# KiCad board motherboard.kicad_pcb (continued)
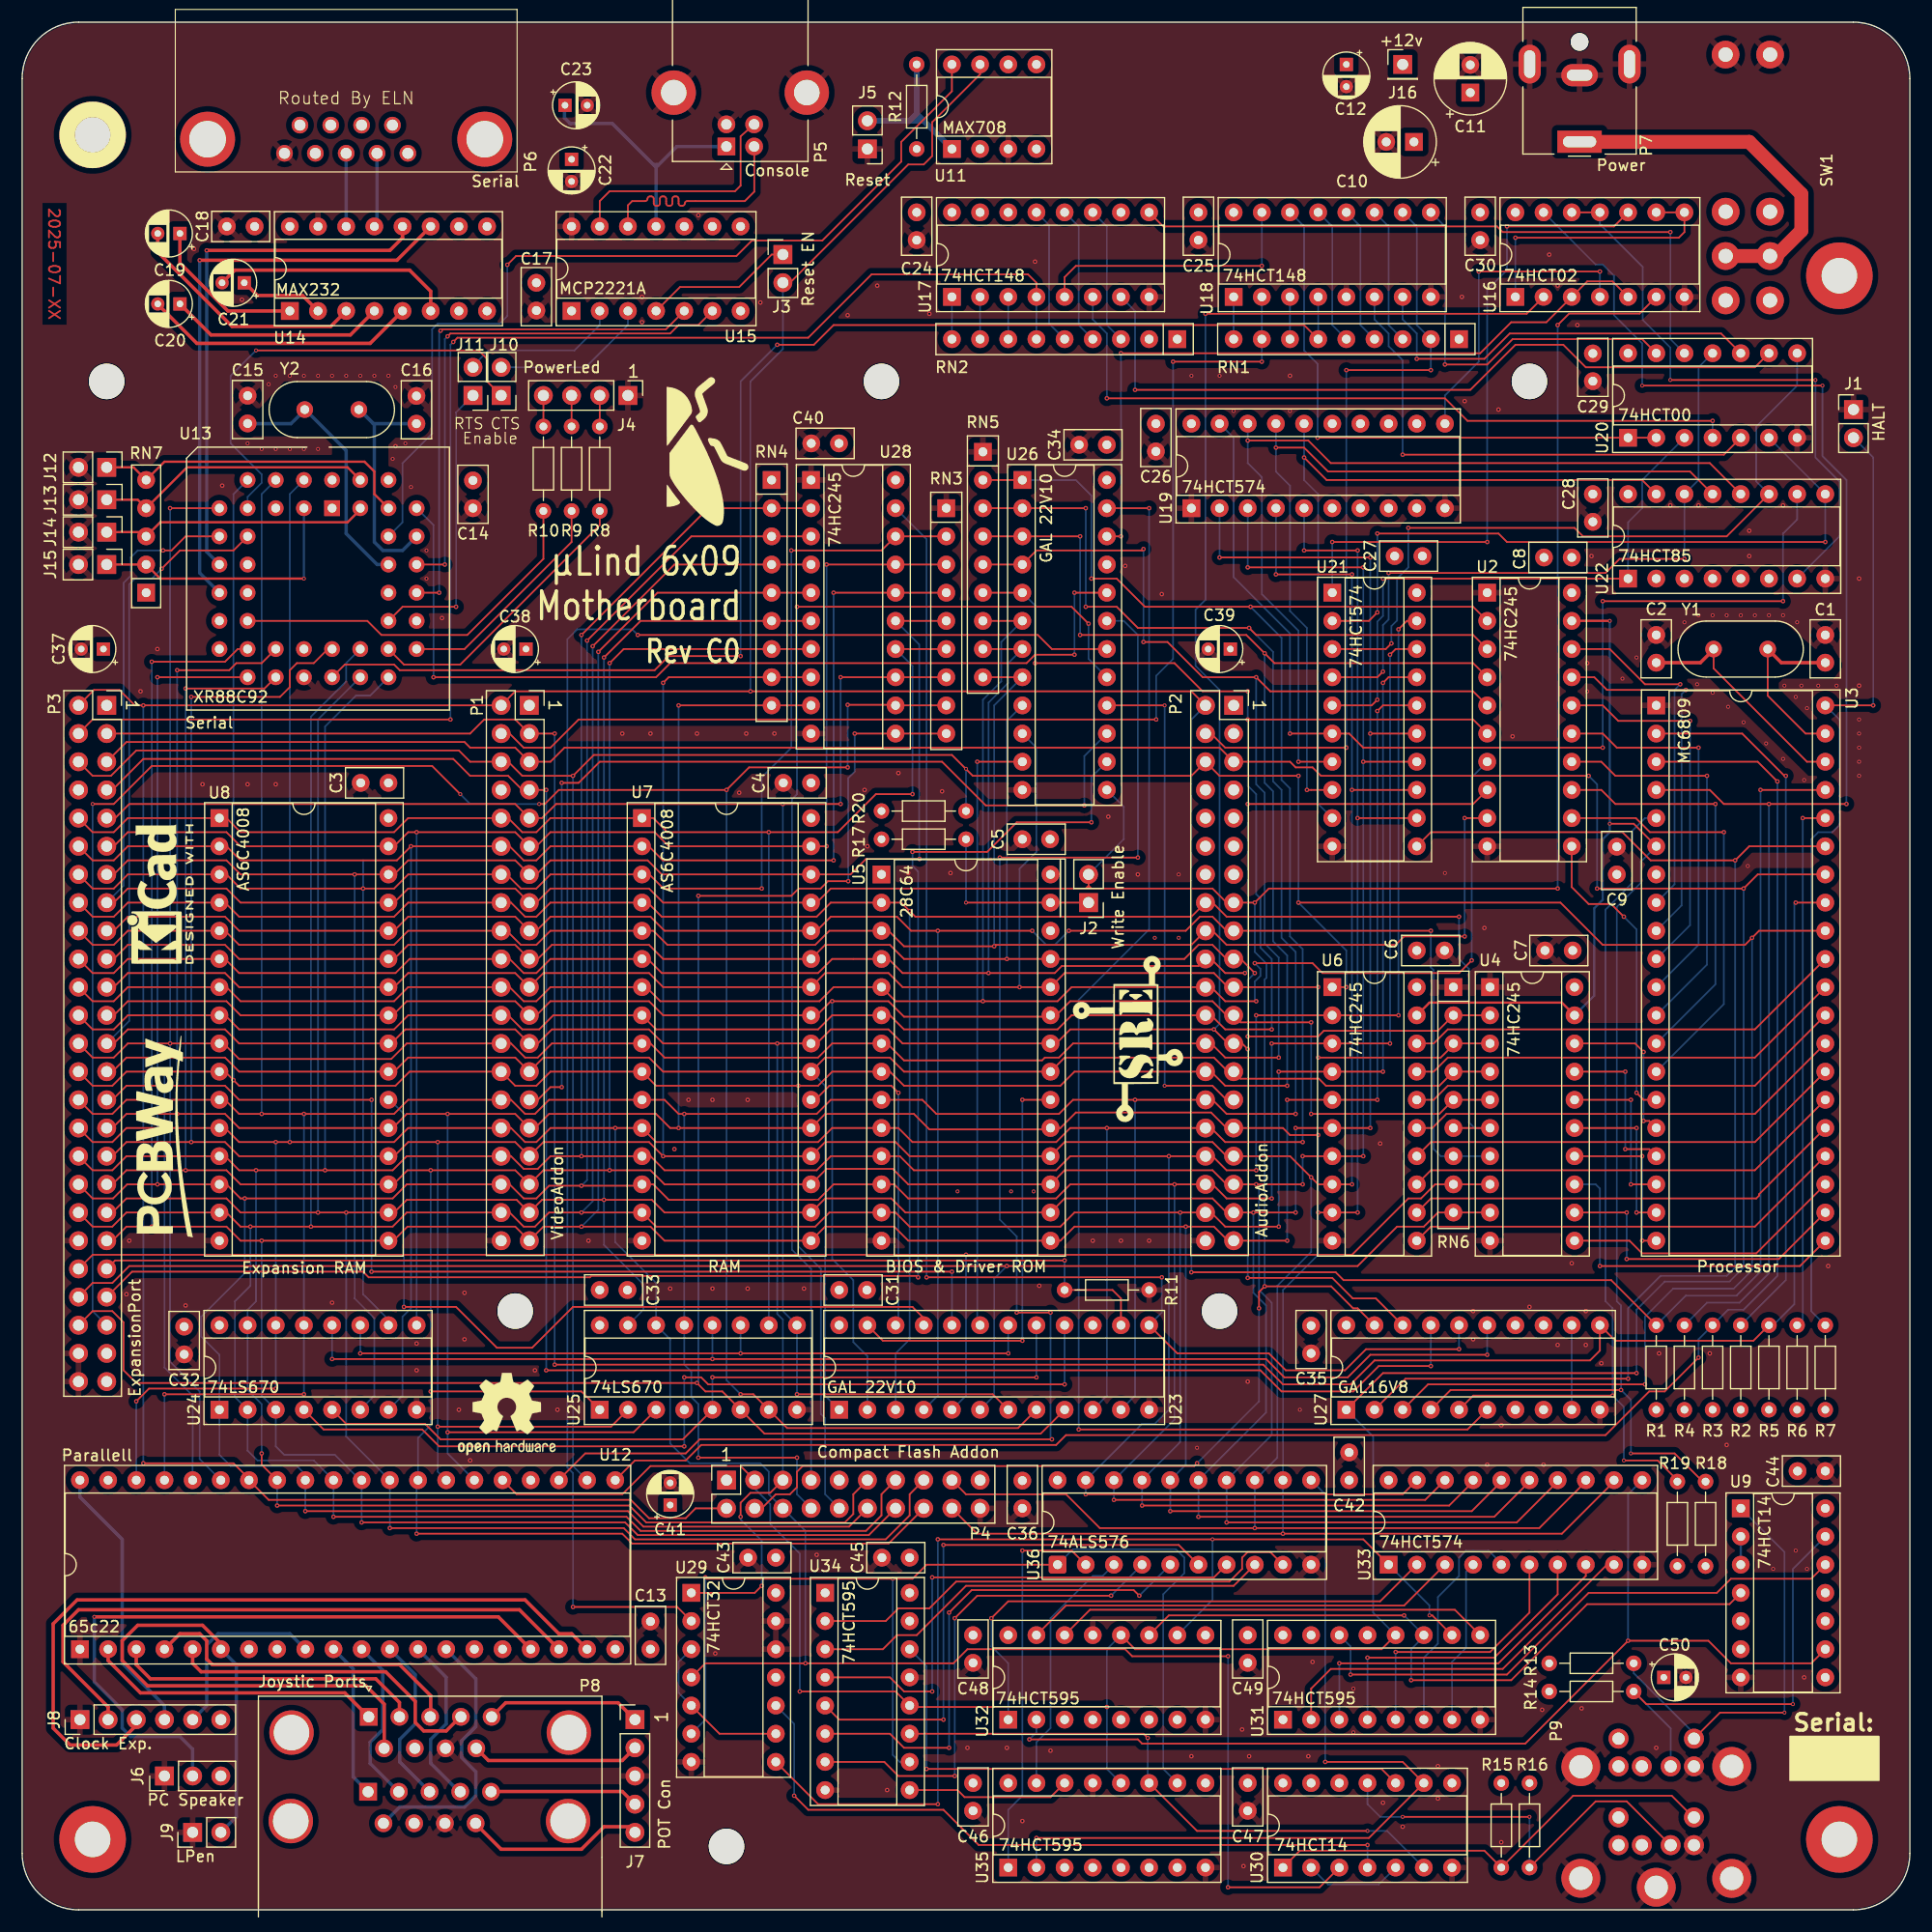
[diagram p0: board, top side]
## Routing (per net, layer and track width the routed paths; a pad name or vN(x,y) marks a point on that pad's centre or on a via; arc(x,y) is an arc through that point) (continued)
/Address-Logic/~{RAMH_EN}: length 70.3
  Top w0.152: v1(34.42,54.36) 39.12,54.36 42.8,50.67 45.97,50.67 49.66,54.36 80.26,54.36 81.28,53.34 U23.21
  Bottom w0.152: v1(34.42,54.36) 34.42,71.75 33.15,73.02 U8.22
/Address-Logic/~{RAML_EN}: length 29.7
  Top w0.152: U7.22 71.5,73.02 72.77,74.29 78.36,74.29 v1(78.99,73.66)
  Bottom w0.152: U23.22 78.99,52.96 v1(78.99,73.66)
/Address-Logic/~{ROM_EN}: length 38.8
  Top w0.152: U23.23 77.6,51.31 v1(90.17,51.31) ; v1(90.17,73.02) U5.20
  Bottom w0.152: v1(90.17,51.31) v1(90.17,73.02)
/Address-Logic/~{SER_EN}: length 83
  Top w0.152: U26.20 v1(94.87,118.75) ; v1(94.87,113.16) 91.31,113.16 90.55,112.39 58.42,112.39 57.15,111.12 v1(37.08,111.12)
  Bottom w0.152: U13.39 37.08,124.84 v1(37.08,111.12) ; v1(94.87,118.75) v1(94.87,113.16)
/Address-Logic/~{SND_EN}: length 46.2
  Top w0.152: v2(103,108.58) U26.16 ; P2.29 108.58,73.02 107.31,74.29 v2(103,74.29)
  Bottom w0.152: v2(103,108.58) v2(103,74.29)
/Address-Logic/~{VDC_EN}: length 87.7
  Top w0.152: v1(95.76,99.57) 86.87,99.57 82.93,103.5 52.07,103.5 50.16,101.6 v1(48.64,101.6) ; P1.29 46.48,73.02 47.62,74.17 v1(48.64,74.17)
  Bottom w0.152: U26.15 95.76,104.01 v1(95.76,99.57) ; v1(48.64,101.6) v1(48.64,74.17)
/AM14: length 156.6
  Top w0.152: P3.14 6.35,92.07 8.25,92.07 9.53,93.34 U8.3 18.41,93.34 19.68,92.07 v1(30.73,92.07) 33.53,92.07 34.8,93.34 P1.14 43.69,93.34 44.96,92.07 46.35,92.07 47.62,93.34 U7.3 56.54,93.34 57.81,92.07 v1(66.67,92.07) ; v1(69.34,122.55) 77.47,122.55 U28.18 83.19,123.82
  Bottom w0.152: v1(30.73,92.07) 30.73,94.61 30.73,55.5 33.02,53.21 U24.10 ; v1(69.34,122.55) 69.34,104.77 66.67,102.11 v1(66.67,92.07)
/AM15: length 148.6
  Top w0.152: 83.19,121.28 U28.17 v1(72.52,121.28) ; P3.11 8.25,95.88 9.53,97.16 18.41,97.16 19.68,95.88 U8.31 33.53,95.88 34.8,97.16 v1(35.56,97.16) 44.45,97.16 P1.11 46.35,95.88 47.62,97.16 57.02,97.16 58.29,95.88 U7.31 v1(72.52,95.88)
  Bottom w0.152: v1(72.52,95.88) v1(72.52,121.28) ; U24.9 v1(35.56,97.16)
/AM16: length 157.6
  Top w0.152: v1(73.15,94.61) 57.76,94.61 56.49,95.88 U7.2 47.62,95.88 46.35,94.61 45.21,94.61 43.94,95.88 P1.12 v1(35.05,95.88) 33.78,94.61 19.68,94.61 18.41,95.88 U8.2 9.53,95.88 8.25,94.61 6.35,94.61 P3.12 ; v1(73.15,118.75) U28.16 83.19,118.75
  Bottom w0.152: U24.7 34.29,46.35 34.29,53.47 35.05,54.23 v1(35.05,95.88) ; v1(73.15,94.61) v1(73.15,118.75)
/AM17: length 153.3
  Top w0.152: 83.19,116.2 U28.15 ; v1(80.9,94.74) 76.07,94.74 74.68,93.34 U7.30 57.66,93.34 56.39,94.61 47.62,94.61 46.35,93.34 P1.13 44.45,94.61 34.8,94.61 33.53,93.34 U8.30 v1(29.97,93.34) 19.68,93.34 18.41,94.61 9.53,94.61 8.25,93.34 P3.13
  Bottom w0.152: U24.6 31.75,46.35 31.75,53.34 29.97,55.12 v1(29.97,93.34) ; U28.15 80.87,114.07 80.87,94.77 v1(80.9,94.74)
/AM18: length 142.9
  Top w0.152: P3.10 6.35,97.16 8.25,97.16 9.53,98.42 U8.1 18.41,98.42 19.68,97.16 33.53,97.16 34.8,98.42 P1.10 43.81,98.42 45.08,97.16 46.35,97.16 47.62,98.42 U7.1 56.9,98.42 58.17,97.16 v1(67.31,97.16) 73.53,97.16 76.96,100.58 v1(80.26,100.58) ; 83.19,113.66 U28.14
  Bottom w0.152: U28.14 80.26,112.14 v1(80.26,100.58) ; v1(67.31,97.16) U25.10
/AM19: length 162.1
  Top w0.152: 83.19,111.12 U28.13 v1(73.79,111.12) ; P3.9 8.38,98.42 9.65,99.69 44.45,99.69 P1.9 46.86,98.42 48.13,99.69 v1(68.58,99.69) v1(73.79,99.69) ; U23.7 87.5,46.48 v1(69.85,46.48)
  Bottom w0.152: v1(69.85,46.48) U25.9 68.58,53.97 68.58,99.57 68.71,99.69 v1(68.58,99.69) ; v1(73.79,99.69) v1(73.79,111.12)
/AM20: length 217.8
  Top w0.152: 83.19,108.58 U28.12 78.69,108.64 v1(74.42,108.64) ; v2(39.5,100.58) 36.96,103.12 11.68,103.12 8.25,99.69 v2(6.35,99.69) ; U23.8 89.79,43.43 68.96,43.43 U25.7 65.91,46.48 v1(64.77,46.48) ; v2(46.61,99.69) 47.12,99.69 48.39,100.97 v1(63.5,100.97) 65.53,103 v1(74.42,103)
  Bottom w0.152: P3.45 6.35,53.97 v2(6.35,99.69) ; v1(63.5,100.97) 63.5,47.75 v1(64.77,46.48) ; v2(46.61,99.69) 40.39,99.69 v2(39.5,100.58) ; v1(74.42,103) v1(74.42,108.64)
/AM21: length 177.1
  Top w0.152: v1(60.96,91.41) 69.34,91.41 70,92.07 71.98,92.07 72.64,92.74 v1(74.47,92.74) ; v1(75.06,106.04) U28.11 83.19,106.04 ; U23.9 91.82,42.93 66.93,42.93 U25.6 63.12,46.74 61.59,46.74 v1(60.83,47.5) 10.29,47.5 9.14,48.64 9.14,52.96 8.13,53.97 6.35,53.97 P3.46
  Bottom w0.152: v1(60.83,47.5) 60.96,47.62 v1(60.96,91.41) ; v1(74.47,92.74) 74.47,102.03 75.06,102.62 v1(75.06,106.04)
/CPU_MEM/MRDY: length 48
  Top w0.152: v1(160.53,98.42) U3.36
  Bottom w0.152: v1(160.53,98.42) 160.53,53.21 R6.1
/CPU_MEM/pA0: length 31.7
  Top w0.152: U2.18 143.13,113.66 146.3,110.49 v1(149.48,110.49)
  Bottom w0.152: U3.8 148.97,92.46 148.97,109.98 v1(149.48,110.49)
/CPU_MEM/pA1: length 33.6
  Top w0.152: v1(149.99,109.98) 142.88,109.98 141.73,111.12 U2.17
  Bottom w0.152: U3.9 149.61,90.55 149.61,109.6 v1(149.99,109.98)
/CPU_MEM/pA2: length 34
  Top w0.152: U2.16 142.49,108.58 143.89,107.19 v1(150.37,107.19)
  Bottom w0.152: U3.10 150.37,88.77 v1(150.37,107.19)
/CPU_MEM/pA3: length 35.1
  Top w0.152: U2.15 142.49,106.04 143.76,104.77 v1(151.13,104.77)
  Bottom w0.152: v1(151.13,104.77) 151.13,87 U3.11
/CPU_MEM/pA4: length 36.2
  Top w0.152: v1(151.89,102.23) 143.64,102.23 142.37,103.5 U2.14
  Bottom w0.152: v1(151.89,102.23) 151.89,85.22 U3.12
/CPU_MEM/pA5: length 37.3
  Top w0.152: v1(152.65,99.69) 143.64,99.69 142.37,100.97 U2.13
  Bottom w0.152: v1(152.65,99.69) 152.65,83.44 U3.13
/CPU_MEM/pA6: length 38.4
  Top w0.152: v1(153.42,97.16) 146.75,97.16 145.48,98.42 U2.12
  Bottom w0.152: U3.14 153.42,81.66 v1(153.42,97.16)
/CPU_MEM/pA7: length 27.9
  Top w0.152: U2.11 139.7,92.2 141.22,90.68 143.26,90.68 v1(144.4,89.53) ; U3.15 146.18,73.02 v1(145.54,73.66)
  Bottom w0.152: v1(145.54,73.66) 145.54,88.39 v1(144.4,89.53)
/CPU_MEM/pA8: length 14.2
  Top w0.152: U3.16 146.69,71.12 v1(146.18,71.12) ; v1(146.18,77.34) 145.42,78.1 U4.18
  Bottom w0.152: v1(146.18,71.12) v1(146.18,77.34)
/CPU_MEM/pA9: length 14.6
  Top w0.152: v1(144.53,75.56) U4.17 ; U3.17 146.69,68.58 v1(144.53,68.58)
  Bottom w0.152: v1(144.53,75.56) v1(144.53,68.58)
/CPU_MEM/pA10: length 15
  Top w0.152: U3.18 v1(145.03,65.41) ; v1(145.03,73.02) U4.16
  Bottom w0.152: v1(145.03,65.41) v1(145.03,73.02)
/CPU_MEM/pA11: length 15
  Top w0.152: U3.19 v1(145.54,62.86) ; v1(145.54,70.48) U4.15
  Bottom w0.152: v1(145.54,62.86) v1(145.54,70.48)
/CPU_MEM/pA12: length 15
  Top w0.152: v1(146.05,67.94) U4.14 ; U3.20 v1(146.05,60.32)
  Bottom w0.152: v1(146.05,60.32) v1(146.05,67.94)
/CPU_MEM/pA13: length 30.7
  Top w0.152: U3.21 160.27,58.04 v1(142.24,58.04)
  Bottom w0.152: v1(142.24,58.04) 142.24,65.02 141.86,65.41 U4.13
/CPU_MEM/pA14: length 28.5
  Top w0.152: v1(144.65,58.67) 158.37,58.67 U3.22 ; v1(144.65,62.86) U4.12
  Bottom w0.152: v1(144.65,58.67) v1(144.65,62.86)
/CPU_MEM/pA15: length 25.7
  Top w0.152: U3.23 156.34,59.18 146.05,59.18 144.91,60.32 U4.11
/CPU_MEM/pD0: length 40
  Top w0.152: U3.31 156.21,79.38 128.52,79.38 127.25,78.1 U6.18
/CPU_MEM/pD1: length 40
  Top w0.152: U6.17 127.25,75.56 128.52,76.83 156.21,76.83 U3.30
/CPU_MEM/pD2: length 40
  Top w0.152: U6.16 127.25,73.02 128.52,74.29 156.21,74.29 U3.29
/CPU_MEM/pD3: length 40
  Top w0.152: U3.28 156.21,71.75 128.4,71.75 127.13,70.48 U6.15
/CPU_MEM/pD4: length 40
  Top w0.152: U3.27 156.21,69.22 127,69.22 U6.14
/CPU_MEM/pD5: length 40
  Top w0.152: U6.13 127,66.67 156.21,66.67 U3.26
/CPU_MEM/pD6: length 40.1
  Top w0.152: U6.12 127,64.13 156.34,64.13 156.59,64.39 156.59,64.52 U3.25
/CPU_MEM/pD7: length 40
  Top w0.152: U3.24 156.21,61.59 127,61.59 U6.11
/CPU_MEM/~{FIRQ}: length 144.1
  Top w0.152: v2(162.31,137.41) v2(146.05,137.41) ; v1(164.47,99.69) v1(157.48,99.69) 153.42,99.69 152.15,100.97 U3.4
  Bottom w0.152: v2(162.31,137.41) 162.31,131.06 164.47,128.9 v1(164.47,99.69) ; U16.13 141.86,148.34 142.49,148.34 143.51,147.32 143.51,143.76 146.05,141.22 v2(146.05,137.41) ; v1(157.48,99.69) 157.48,57.4 154.81,54.74 151.89,54.74 R4.1
/CPU_MEM/~{HALT}: length 87.9
  Top w0.152: U3.40 v1(166.88,108.58)
  Bottom w0.152: R7.1 161.29,53.97 161.29,96.52 161.93,97.16 163.2,97.16 163.83,97.79 163.83,107.31 U3.40 ; J1.2 166.88,130.94 v1(166.88,108.58)
/CPU_MEM/~{IRQ}: length 169.6
  Top w0.152: U3.3 156.46,103.5 v1(158.24,101.73) ; v1(151.13,49.78) 148.08,46.74 146.69,46.74 142.75,42.8 94.11,42.8 93.22,41.91 61.21,41.91 59.82,40.51 55.24,40.51 U12.21
  Bottom w0.152: v1(158.24,101.73) 158.24,57.15 155.19,54.1 153.8,54.1 R3.1 151.13,51.44 v1(151.13,49.78)
/CPU_MEM/~{NMI}: length 64.5
  Top w0.152: U3.2 155.07,106.04 158.88,102.23 v1(159,102.23)
  Bottom w0.152: v1(159,102.23) 159,56.77 R2.1
/D0: length 449.7
  Top w0.152: v1(21.59,41.15) 21.59,40.13 U12.33 ; P4.11 74.93,37.47 74.93,35.69 74.17,34.92 56.26,34.92 54.74,36.45 v1(22.99,36.45) ; P3.34 6.35,66.67 8.13,66.67 9.4,67.94 U8.13 18.29,67.94 19.56,66.67 33.4,66.67 34.67,67.94 P1.34 44.07,67.94 45.21,66.8 46.48,66.8 47.62,67.94 U7.13 56.64,67.94 57.91,66.67 71.63,66.67 72.9,67.94 78.23,67.94 U5.11 79.12,67.94 80.39,66.67 93.22,66.67 94.49,67.94 P2.34 107.31,67.94 108.58,66.67 v1(111.25,66.67) ; U28.2 61.85,126.36 v1(50.42,114.94) ; U21.19 124.84,116.2 v1(124.08,115.44) ; v1(124.08,80.64) U6.2 v1(111.25,80.64) ; U33.19 124.46,37.47 v1(95.88,37.47)
  Bottom w0.152: v1(50.42,67.94) v1(50.42,114.94) ; v1(21.59,41.15) 21.59,45.59 20.32,46.86 U24.15 20.32,54.1 21.08,54.86 v1(21.08,66.67) ; v1(22.99,36.45) U12.33 ; v1(95.88,37.47) 95.88,38.73 100.96,43.81 102.11,43.81 103.38,45.08 v1(103.38,67.94) ; v1(27.3,66.67) 27.3,106.68 30.1,109.47 31.37,109.47 U13.28 ; v1(124.08,80.64) v1(124.08,115.44) ; v1(111.25,66.67) v1(111.25,80.64)
/D1: length 453.5
  Top w0.152: v1(112.65,64.13) 108.58,64.13 107.31,65.41 P2.36 94.49,65.41 93.22,64.13 79.88,64.13 78.61,65.41 U5.12 73.15,65.41 71.75,64.01 58.29,64.01 56.9,65.41 U7.14 55.75,65.28 47.5,65.28 46.35,64.13 45.21,64.13 43.94,65.41 P1.36 34.67,65.41 33.4,64.13 v1(20.07,64.13) 19.68,64.13 18.41,65.41 U8.14 9.46,65.41 8.19,64.13 6.35,64.13 P3.36 ; U33.18 126.49,36.96 v1(98.42,36.96) ; P4.12 74.55,34.54 56.01,34.54 54.61,35.94 v1(25.53,35.94) ; v1(112.65,78.1) U6.3 v1(123.32,78.1) ; U21.18 123.83,113.66 v1(123.32,113.16) ; U28.3 60.32,123.82 v1(50.93,114.43) ; U13.18 v1(12.19,111.12)
  Bottom w0.152: v1(123.32,78.1) v1(123.32,113.16) ; v1(50.93,114.43) 50.93,65.79 v1(50.42,65.28) ; v1(112.65,78.1) v1(112.65,64.13) ; v1(103.89,65.41) 103.89,44.2 U36.18 v1(98.42,36.96) ; v1(25.53,35.94) U12.32 25.53,39.24 24.76,40 18.8,40 17.78,41.02 U24.1 17.78,50.04 16.13,51.69 16.13,53.47 20.07,57.4 v1(20.07,64.13) ; v1(12.19,111.12) v1(12.19,65.41)
/D2: length 450.1
  Top w0.152: v1(113.28,75.56) U6.4 v1(122.68,75.56) ; U33.17 130.81,38.61 128.65,36.45 v1(100.96,36.45) ; v1(122.68,110.62) 123.19,111.12 U21.17 ; v1(28.07,35.43) 54.48,35.43 55.75,34.16 76.07,34.16 77.47,35.56 77.47,37.47 P4.13 ; P3.38 6.35,61.59 8.13,61.59 9.4,62.86 U8.15 18.41,62.86 19.68,61.59 v1(20.57,61.59) 33.4,61.59 34.67,62.86 P1.38 43.94,62.86 45.21,61.59 46.23,61.59 47.5,62.86 U7.15 57.15,61.59 71.5,61.59 72.77,62.86 U5.13 78.74,62.86 80.01,61.59 93.6,61.59 94.87,62.86 P2.38 107.19,62.86 108.46,61.59 v1(113.28,61.59) ; U28.4 58.8,121.28 v1(51.44,113.92)
  Bottom w0.152: v1(50.42,62.86) 51.44,63.88 v1(51.44,113.92) ; v1(104.39,62.86) 104.39,42.16 U36.17 v1(100.96,36.45) ; v1(20.57,61.59) 20.57,56.26 19.18,54.86 19.18,46.23 U24.2 20.32,41.4 21.21,40.51 26.29,40.51 U12.31 v1(28.07,35.43) ; v1(26.04,61.59) 26.04,107.57 29.21,110.74 29.21,112.39 U13.27 ; v1(113.28,61.59) v1(113.28,75.56) ; v1(122.68,75.56) v1(122.68,110.62)
/D3: length 444
  Top w0.152: P4.14 76.33,33.78 55.5,33.78 54.36,34.92 v1(30.61,34.92) ; U21.16 122.68,108.58 v1(122.17,108.08) ; U33.16 133.35,38.61 130.68,35.94 v1(103.51,35.94) ; v1(122.17,73.02) U6.5 v1(114.05,73.02) ; v1(51.94,113.41) 57.28,118.75 U28.5 ; P3.39 8.13,60.32 9.4,61.59 18.41,61.59 19.68,60.32 U8.17 33.46,60.32 34.73,61.59 44.45,61.59 P1.39 46.99,61.59 56.64,61.59 57.91,60.32 U7.17 72.39,61.59 78.61,61.59 79.88,60.32 U5.15 93.6,60.32 94.87,61.59 107.44,61.59 108.71,60.32 P2.39 v1(114.05,60.32) ; U13.19 19.43,113.66 18.29,112.52 v1(11.68,112.52)
  Bottom w0.152: v1(103.51,35.94) U36.16 104.9,40.13 v1(104.9,61.59) ; v1(30.61,34.92) U12.30 30.48,38.73 28.19,41.02 23.62,41.02 22.86,41.78 U24.3 21.59,46.35 v1(21.59,60.32) ; v1(11.68,112.52) v1(11.68,61.59) ; v1(50.42,61.59) 51.94,63.12 v1(51.94,113.41) ; v1(122.17,73.02) v1(122.17,108.08) ; v1(114.05,73.02) v1(114.05,60.32)
/D4: length 476
  Top w0.152: v1(106.05,35.43) 132.72,35.43 135.89,38.61 U33.15 ; U28.6 55.75,116.2 v1(52.45,112.9) ; v1(33.15,34.42) 54.23,34.42 55.24,33.4 77.85,33.4 80.01,35.56 80.01,37.47 P4.15 ; v1(121.54,106.04) U21.15 ; v1(121.54,70.48) U6.6 v1(114.81,70.48) ; v1(114.81,62.86) P2.37 108.58,62.86 107.31,64.13 93.98,64.13 U5.16 79.63,62.86 78.36,64.13 72.39,64.13 U7.18 57.91,62.86 56.77,64.01 46.86,64.01 P1.37 44.58,64.01 34.67,64.01 33.53,62.86 U8.18 19.68,62.86 18.41,64.13 9.4,64.13 8.13,62.86 P3.37 ; v1(121.54,121.92) v1(107.95,121.92)
  Bottom w0.152: v1(121.54,121.92) v1(121.54,106.04) v1(121.54,70.48) ; v1(33.15,34.42) 33.15,38.73 29.21,42.67 v1(29.21,62.86) ; v1(26.67,62.86) 26.67,107.31 U13.26 ; v1(106.05,35.43) U36.15 112.14,44.83 112.14,54.48 111,55.63 v1(111,62.86) ; U25.15 56.01,54.1 56.01,56.39 52.45,59.94 v1(52.45,64.01) v1(52.45,112.9) ; v1(114.81,62.86) v1(114.81,70.48) ; v1(107.95,121.92) U19.2
/D5: length 472.1
  Top w0.152: v1(52.96,112.39) 54.23,113.66 U28.7 ; P4.16 78.1,33.02 54.99,33.02 54.1,33.91 v1(35.56,33.91) ; v1(120.9,67.94) U6.7 v1(115.44,67.94) ; v1(14.73,110.11) 21.84,110.11 U13.20 ; v1(36.83,46.74) 50.42,46.74 U25.1 ; U33.14 138.43,38.61 134.75,34.92 v1(108.58,34.92) ; v1(115.44,65.41) P2.35 108.58,65.41 107.31,66.67 93.98,66.67 U5.17 79.88,65.41 78.49,66.8 72.52,66.8 U7.19 57.91,65.41 56.64,66.67 46.99,66.67 P1.35 44.45,66.67 34.73,66.67 33.46,65.41 U8.19 19.68,65.41 18.41,66.67 9.4,66.67 8.13,65.41 P3.35 ; v1(120.9,103.5) U21.14 ; v1(120.9,121.03) v1(110.49,121.03)
  Bottom w0.152: v1(115.44,67.94) v1(115.44,65.41) ; v1(52.96,66.67) v1(52.96,112.39) ; v1(111.25,65.41) 111.51,65.15 111.51,55.88 112.65,54.74 112.65,42.8 U36.14 v1(108.58,34.92) ; v1(110.49,121.03) U19.3 ; v1(14.73,110.11) v1(14.73,66.67) ; v1(120.9,121.03) v1(120.9,103.5) v1(120.9,67.94) ; v1(35.56,33.91) 35.56,38.61 U12.28 35.69,42.54 36.83,43.69 v1(36.83,66.67)
/D6: length 447.1
  Top w0.152: U28.8 58.29,111.12 v1(57.78,110.62) ; U33.13 140.97,38.61 136.78,34.42 v1(111.12,34.42) 97.16,34.42 94.11,37.47 85.09,37.47 P4.17 ; v1(119.89,100.97) U21.13 ; U25.2 53.09,43.56 v1(37.46,43.56) ; v1(15.24,109.35) 23.24,109.35 24.13,110.24 24.13,111.76 24.76,112.39 26.29,112.39 27.56,113.66 U13.25 ; v1(119.89,65.41) U6.8 116.84,65.41 v1(116.2,66.04) 114.3,67.94 P2.33 108.58,67.94 107.31,69.22 93.98,69.22 U5.18 80.01,67.94 78.74,69.22 72.39,69.22 U7.20 v1(57.78,67.94) 56.52,69.22 46.99,69.22 P1.33 44.45,69.22 34.8,69.22 33.53,67.94 U8.20 19.56,67.94 18.29,69.22 9.4,69.22 8.13,67.94 P3.33 ; v1(119.89,120.4) v1(113.03,120.4)
  Bottom w0.152: U12.27 37.46,39.5 v1(37.46,69.22) ; v1(57.78,110.62) v1(57.78,67.94) ; v1(113.03,120.4) U19.4 ; v1(116.2,66.04) 116.2,59.31 113.16,56.26 113.16,40.77 111.12,38.73 v1(111.12,34.42) ; v1(119.89,65.41) v1(119.89,100.97) v1(119.89,120.4) ; v1(15.24,109.35) v1(15.24,69.22)
/D7: length 445.5
  Top w0.152: U25.3 55.12,43.05 v1(38.35,43.05) ; U28.9 v1(59.18,108.58) ; U33.12 143.51,38.61 138.81,33.91 v1(113.67,33.91) 86.11,33.91 P4.18 ; v1(120.4,62.86) U6.9 v1(116.84,62.86) ; v1(120.4,98.42) U21.12 ; v1(13.97,111.76) 18.67,111.76 19.3,112.39 21.59,112.39 U13.21 ; v1(120.4,122.55) v1(115.57,122.55) ; P3.31 8.13,70.48 9.4,71.75 18.29,71.75 19.56,70.48 U8.21 33.4,70.48 34.67,71.75 44.45,71.75 P1.31 46.23,70.48 47.5,71.75 57.15,71.75 58.42,70.48 U7.21 72.39,71.75 80.39,71.75 81.79,70.36 92.58,70.36 U5.19 93.6,70.48 95,71.88 107.19,71.88 108.58,70.48 P2.31 113.67,70.48 114.3,69.85 v1(116.84,69.85)
  Bottom w0.152: U12.26 38.35,41.15 v1(38.35,71.75) ; v1(13.97,111.76) v1(13.97,71.75) ; v1(115.57,122.55) U19.5 ; v1(113.67,33.91) U36.12 113.67,55.88 116.84,59.05 v1(116.84,62.86) v1(116.84,69.85) ; v1(59.18,70.48) v1(59.18,108.58) ; v1(120.4,62.86) v1(120.4,98.42) v1(120.4,122.55)
/Expansion Ports/BAVAIL: length 179.4
  Top w0.152: v1(47.24,100.97) P1.7 45.08,100.97 43.81,102.23 40.39,102.23 38.86,103.76 10.92,103.76 8.13,100.97 P3.7 ; v1(47.24,48.64) 111.63,48.64 113.54,46.74 120.02,46.74 122.3,49.02 v1(127,49.02)
  Bottom w0.152: v1(127,49.02) U27.17 ; v1(47.24,48.64) v1(47.24,100.97)
/Expansion Ports/E: length 383.1
  Top w0.152: v1(141.99,92.07) v1(155.19,92.07) 156.46,93.34 U3.34 ; U12.25 44.58,37.47 54.1,37.47 56.64,40 64.77,40 P4.3 ; U32.12 100.33,23.5 122.55,23.5 U31.12 ; v1(70.1,19.69) 78.74,19.69 U34.12 80.14,18.29 v1(97.79,18.29) ; v1(145.54,48.39) 122.68,48.39 U27.1 ; v1(141.22,102.23) 117.09,102.23 116.33,103 114.81,103 114.3,103.5 P2.5 107.95,104.77 48.89,104.77 47.62,103.5 P1.5 44.45,104.77 40.39,104.77 39.88,105.28 9.4,105.28 P3.5
  Bottom w0.152: v1(141.99,92.07) 141.99,101.47 v1(141.22,102.23) ; v1(70.1,19.69) 70.1,32.13 67.44,34.8 67.44,36.58 66.04,37.97 P4.3 ; v1(155.19,92.07) 155.19,57.91 153.92,56.64 148.08,56.64 145.54,54.1 v1(145.54,48.39) ; U27.1 121.79,42.67 121.79,26.8 U31.12 ; U32.12 97.79,23.5 v1(97.79,18.29) 97.79,12.7 U35.12
/Expansion Ports/R/~{W}: length 324.8
  Top w0.152: v1(115.06,102.23) 107.95,102.23 P2.6 105.41,102.23 85.7,102.23 83.82,104.11 51.54,104.11 v1(49.66,102.23) 45.08,102.23 43.81,103.5 P1.6 40.39,103.5 39.37,104.52 10.29,104.52 8,102.23 6.35,102.23 P3.6 ; U6.1 v1(119.38,83.19) ; U3.32 156.59,88.26 v1(155.96,87.63) 155.32,87 142.49,87 138.68,90.8 v1(115.06,90.8) ; v1(146.3,47.37) 126.75,47.37 U27.3
  Bottom w0.152: v1(49.66,102.23) 49.66,40 U12.22 ; v1(115.06,102.23) v1(115.06,90.8) 119.38,86.49 v1(119.38,83.19) ; v1(146.3,47.37) 146.3,53.47 148.84,56.01 154.31,56.01 155.96,57.66 v1(155.96,87.63) ; R20.1 v2(85.09,102.87)
/Expansion Ports/~{BREQ}: length 255.2
  Top w0.152: v1(48.01,49.15) 111.89,49.15 113.67,47.37 119.76,47.37 121.92,49.53 141.35,49.53 142.24,50.42 U27.11 143.64,51.31 156.08,51.31 R5.1 ; P3.3 40.39,106.04 41.66,107.31 44.45,107.31 P1.3 v1(48.01,106.04) ; v1(159.89,90.8) U3.33
  Bottom w0.152: v1(159.89,90.8) 159.77,90.68 159.77,54.61 157.86,52.7 R5.1 ; v1(48.01,106.04) v1(48.01,49.15)
/Expansion Ports/~{MAP_EN}: length 97.2
  Top w0.152: v1(93.98,58.55) 8.38,58.55 P3.41 ; R11.1 98.3,55.88 99.06,55.12 U23.14
  Bottom w0.152: v1(93.98,58.55) R11.1
/Expansion Ports/~{RAMX_EN}: length 97.6
  Top w0.152: v1(31.5,73.02) 19.56,73.02 18.29,74.29 9.4,74.29 8.13,73.02 P3.29 ; v1(31.5,57.53) v1(83.82,57.53)
  Bottom w0.152: v1(31.5,57.53) v1(31.5,73.02) ; v1(83.82,57.53) U23.20
/Expansion Ports/~{RD}: length 355.6
  Top w0.152: v1(12.57,120.9) 14.22,122.55 19.05,122.55 U13.10 ; U27.18 122.05,55.12 119.96,55.12 118.11,56.97 v1(110.49,56.97) ; v1(110.49,77.6) 109.98,78.1 P2.25 108.71,78.1 v1(107.44,79.38) 94.49,79.38 93.22,78.1 U5.22 79.38,78.1 78.1,79.38 72.9,79.38 71.63,78.1 U7.24 57.78,78.1 56.52,79.38 47.75,79.38 46.48,78.1 P1.25 44.45,79.38 34.54,79.38 33.27,78.1 U8.24 19.56,78.1 18.29,79.38 9.53,79.38 8.25,78.1 P3.25 ; P4.5 67.44,37.59 65.66,37.59 64.77,36.7 v1(64.77,35.43) ; U16.2 135.64,143.89 v1(106.68,143.89) ; v1(66.67,29.21) 66.04,28.57 U29.1
  Bottom w0.152: v1(106.68,143.89) 106.68,118.11 105.79,117.22 105.79,112.14 107.95,109.98 107.95,79.88 v1(107.44,79.38) ; v1(64.77,35.43) 64.77,35.18 66.67,33.27 v1(66.67,29.21) ; P3.25 9.65,80.14 9.65,119.51 10.16,120.01 11.68,120.01 v1(12.57,120.9) ; P4.5 68.58,53.21 68.07,53.72 v1(68.07,78.1) ; v1(110.49,77.6) v1(110.49,56.97)
/Expansion Ports/~{RST}: length 449.7
  Top w0.152: U11.7 86.36,165.48 82.04,161.16 82.04,158.12 81.28,157.35 79.88,157.35 69.22,146.69 J3.2 ; v1(156.72,100.97) U3.37 ; R1.1 143.26,56.77 119.13,56.77 118.41,57.48 v1(105.41,57.48) ; P2.2 105.41,109.85 44.45,109.85 P1.2 v1(10.92,108.58) 10.16,108.58 8.76,109.98 6.48,109.98 P3.2 ; P4.2 60.71,36.19 59.82,35.31 56.52,35.31 54.86,36.96 22.22,36.96 U12.34 20.45,38.86 19.05,40.26 v1(10.92,40.26)
  Bottom w0.152: v1(65.66,109.85) 65.66,137.79 68.58,140.72 J3.2 ; v1(10.92,108.58) v1(10.92,40.26) ; P2.2 105.41,107.31 v1(105.41,57.48) ; v1(156.72,100.97) 156.72,57.53 154.56,55.37 149.99,55.37 R1.1
/Expansion Ports/~{WR}: length 356.7
  Top w0.152: v1(12.7,122.55) 13.46,122.55 14.73,123.82 U13.9 ; U27.19 120.4,54.23 119.99,54.23 118.01,56.21 v1(112.01,56.21) 111.51,55.7 v1(111.51,54.23) ; 96.14,92.07 96.39,92.07 96.14,92.33 ; 96.14,92.07 J2.2 ; 96.14,92.07 95.88,92.07 96.14,92.33 ; 96.14,92.07 96.14,92.33 ; v1(138.43,92.07) 112.39,92.07 v1(111.12,90.8) P2.15 108.58,90.8 107.31,92.07 72.9,92.07 71.63,90.8 U7.29 57.78,90.8 56.52,92.07 47.62,92.07 46.35,90.8 P1.15 44.45,92.07 34.8,92.07 33.53,90.8 U8.29 19.68,90.8 18.41,92.07 9.53,92.07 8.25,90.8 P3.15 ; v1(105.92,40.26) 105.66,40 70.36,40 69.85,39.5 69.85,38.1 69.21,37.47 67.94,37.47 66.67,36.19 P4.4 ; v1(138.43,142.88) 139.47,143.91 145.82,143.91 U16.6